# KiCad board corevus-toolboard-panelize3.kicad_pcb
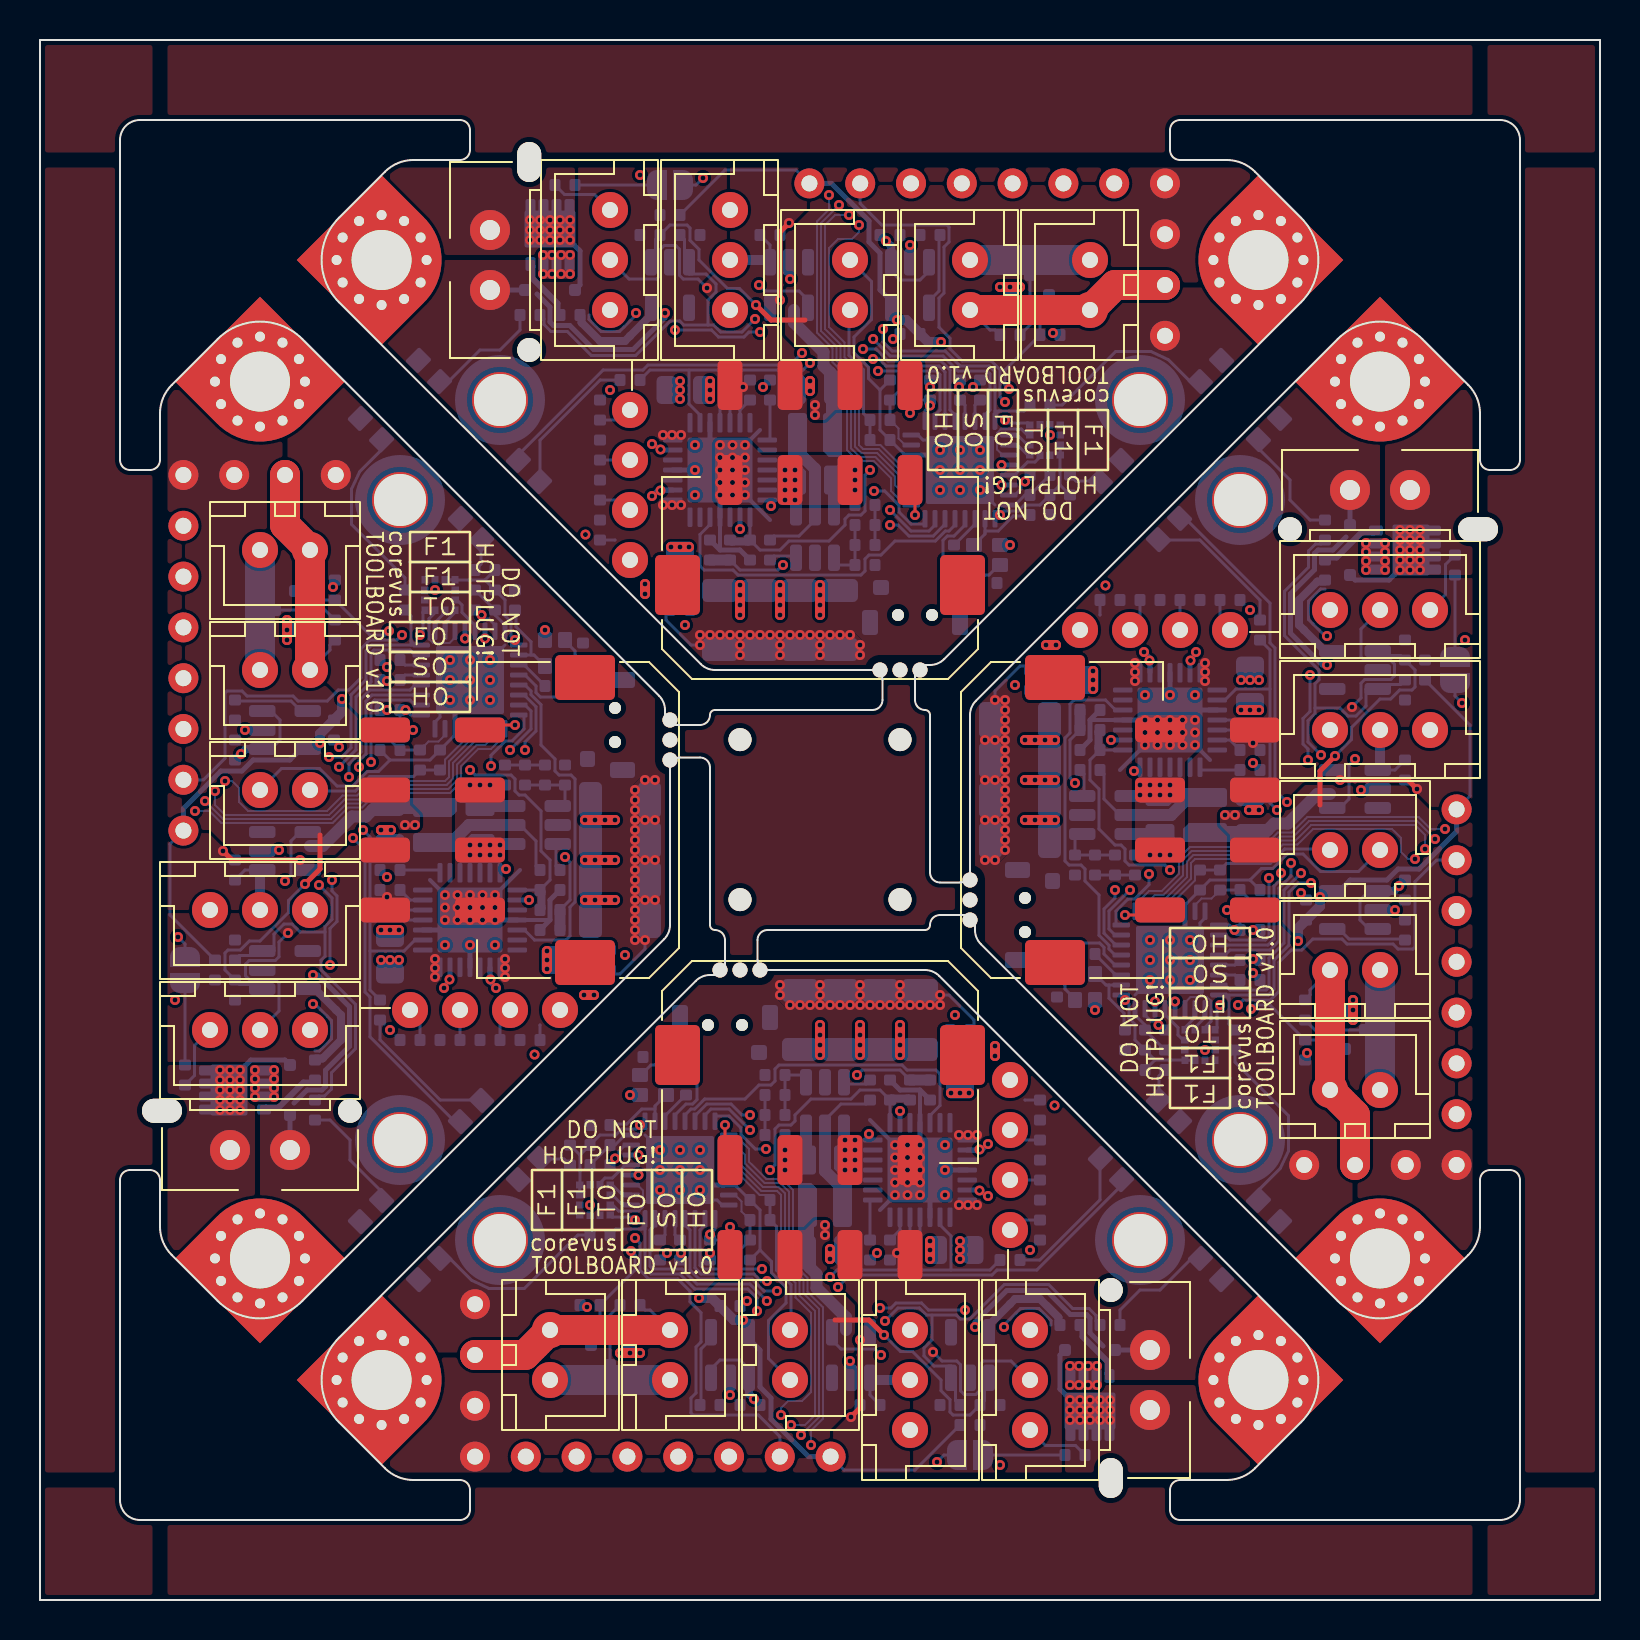
[diagram p0: board, top side]
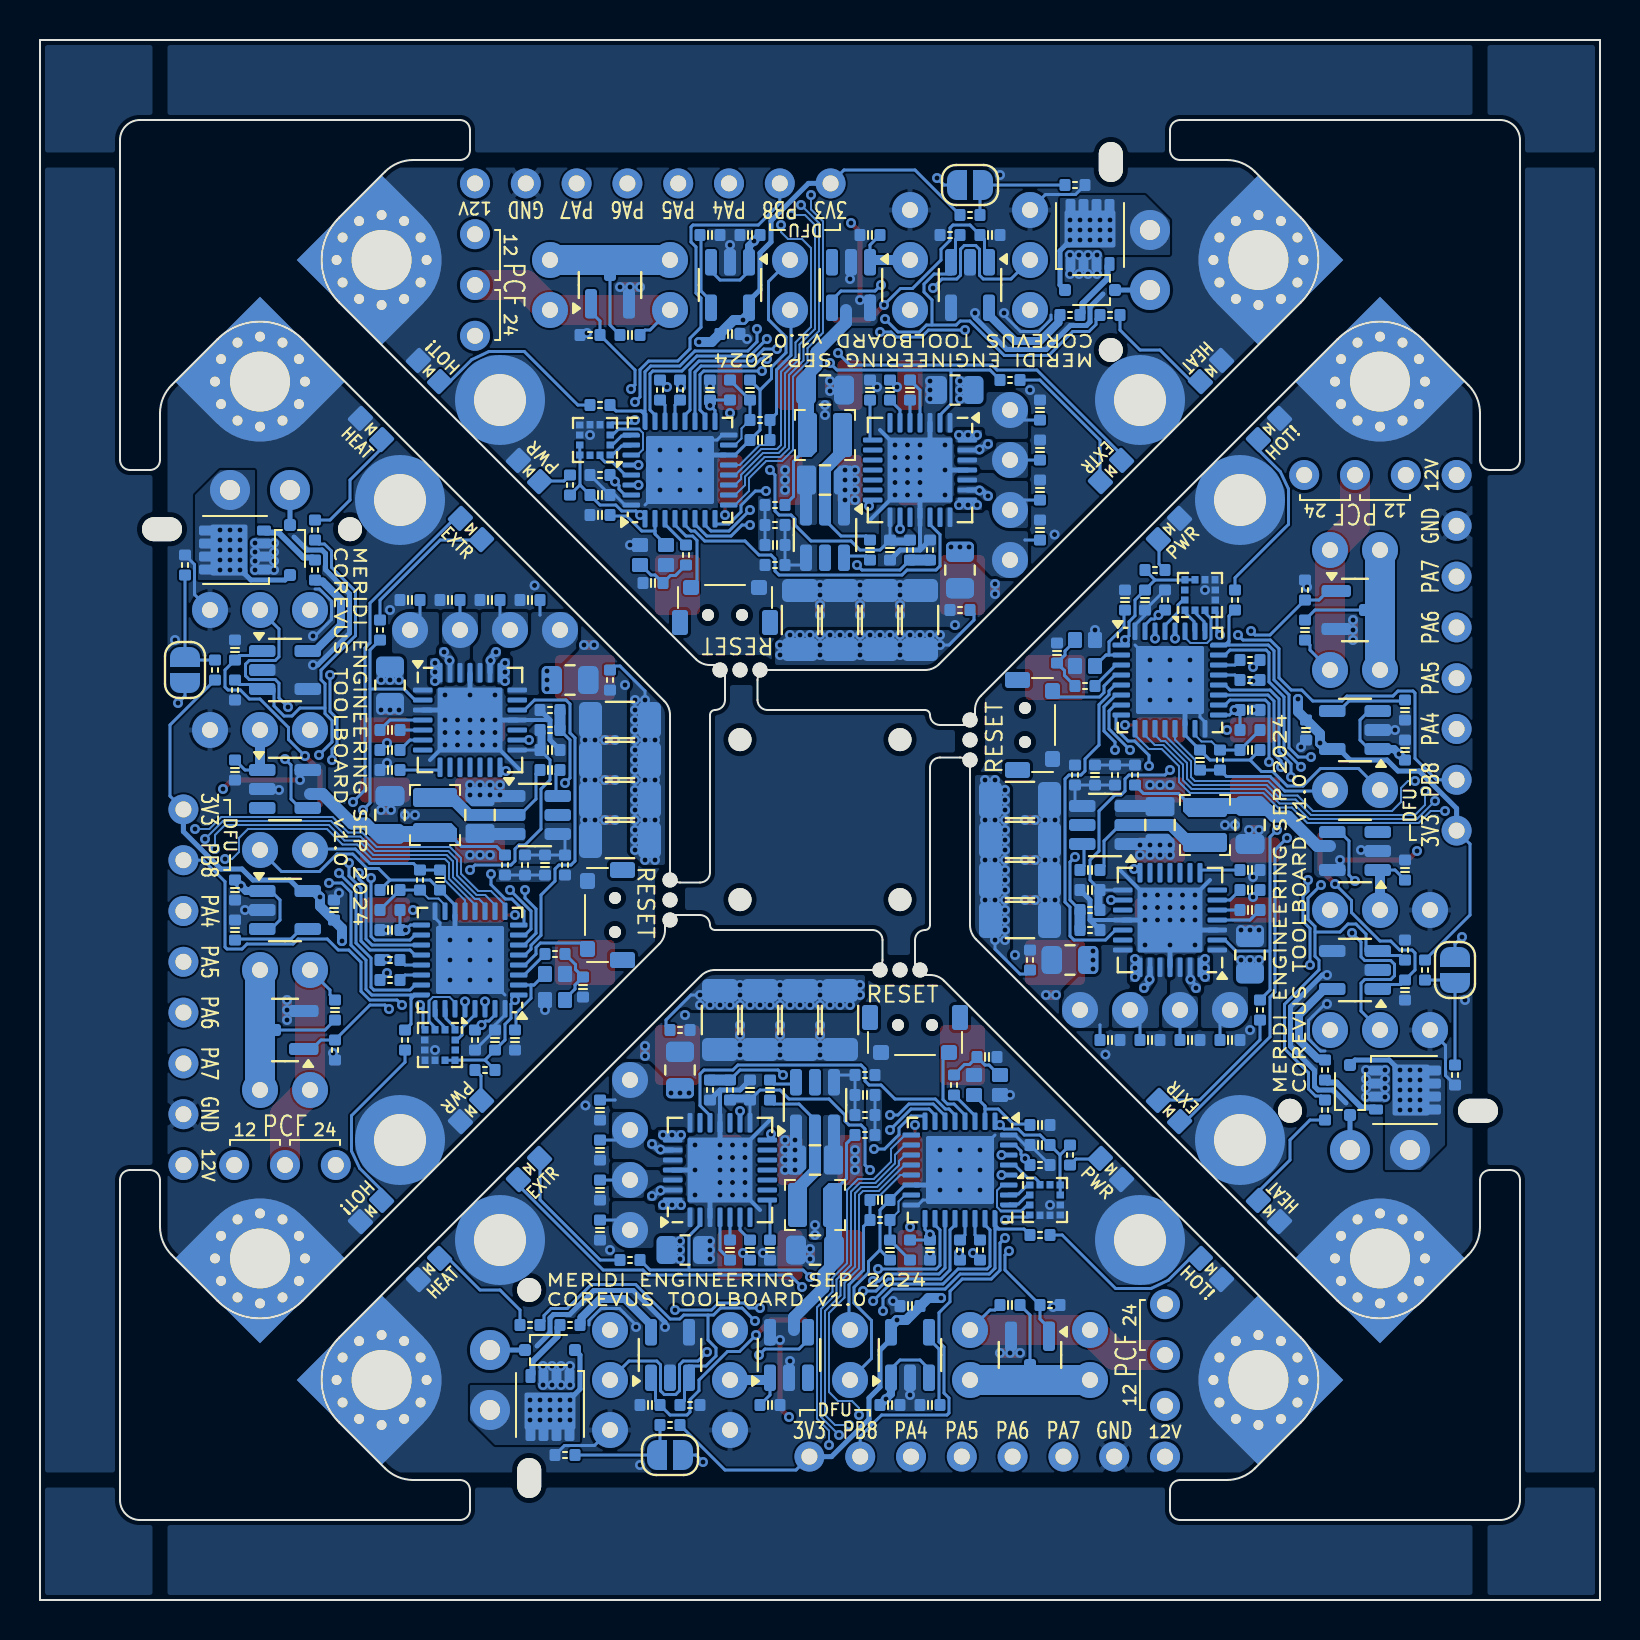
[diagram p1: board, bottom side, seen from below]

Outline 78 x 78 mm; copper layers: Top, In1.Cu (plane), In2.Cu (plane), Bottom. Coordinates in mm from the lower left corner of the outline.
Outline path: 44.25,31.5 arc(44.63,31.42) 44.96,31.21 63.04,13.12 arc(63.92,11) 63.04,8.88 60.75,6.59 arc(60.1,6.15) 59.34,6 57,6 arc(56.65,5.85) 56.5,5.5 56.5,4.5 arc(56.65,4.15) 57,4 73,4 arc(73.71,4.29) 74,5 74,21 arc(73.85,21.35) 73.5,21.5 72.5,21.5 arc(72.15,21.35) 72,21 72,18.67 arc(71.85,17.9) 71.41,17.25 69.12,14.96 arc(67,14.08) 64.88,14.96 47.04,32.79 arc(46.83,33.12) 46.75,33.5 46.75,33.75 arc(46.6,34.1) 46.25,34.25 45,34.25 arc(44.65,34.1) 44.5,33.75 arc(44.43,33.57) 44.25,33.5 36.38,33.5 arc(36.02,33.35) 35.88,33 35.88,32 arc(36.02,31.65) 36.38,31.5 44.25,31.5 ; 44.5,46.75 44.25,46.75 arc(43.9,46.6) 43.75,46.25 43.75,45 arc(43.9,44.65) 44.25,44.5 arc(44.43,44.43) 44.5,44.25 44.5,36.38 arc(44.65,36.02) 45,35.88 46,35.88 arc(46.35,36.02) 46.5,36.38 46.5,44.25 ; 44.5,46.75 arc(44.88,46.83) 45.21,47.04 63.04,64.88 arc(63.92,67) 63.04,69.12 60.75,71.41 arc(60.1,71.85) 59.33,72 57,72 arc(56.65,72.15) 56.5,72.5 56.5,73.5 arc(56.65,73.85) 57,74 73,74 arc(73.71,73.71) 74,73 74,57 arc(73.85,56.65) 73.5,56.5 72.5,56.5 arc(72.15,56.65) 72,57 72,59.35 arc(71.85,60.1) 71.41,60.75 69.12,63.04 arc(67,63.92) 64.88,63.04 46.79,44.96 arc(46.58,44.63) 46.5,44.25 ; 0,78 78,78 78,0 0,0 0,78 ; 4,73 arc(4.29,73.71) 5,74 21,74 arc(21.35,73.85) 21.5,73.5 21.5,72.5 arc(21.35,72.15) 21,72 18.67,72 arc(17.9,71.85) 17.25,71.41 14.96,69.12 arc(14.08,67) 14.96,64.88 33.04,46.79 arc(33.37,46.58) 33.75,46.5 41.62,46.5 arc(41.98,46.35) 42.12,46 42.12,45 arc(41.98,44.65) 41.62,44.5 33.75,44.5 arc(33.57,44.43) 33.5,44.25 arc(33.35,43.9) 33,43.75 31.75,43.75 arc(31.4,43.9) 31.25,44.25 31.25,44.5 arc(31.17,44.88) 30.96,45.21 13.12,63.04 arc(11,63.92) 8.88,63.04 6.59,60.75 arc(6.15,60.1) 6,59.33 6,57 arc(5.85,56.65) 5.5,56.5 4.5,56.5 arc(4.15,56.65) 4,57 4,73 ; 4,21 4,5 arc(4.29,4.29) 5,4 21,4 arc(21.35,4.15) 21.5,4.5 21.5,5.5 arc(21.35,5.85) 21,6 18.67,6 arc(17.9,6.15) 17.25,6.59 14.96,8.88 arc(14.08,11) 14.96,13.12 32.79,30.96 arc(33.12,31.17) 33.5,31.25 33.75,31.25 arc(34.1,31.4) 34.25,31.75 34.25,33 arc(34.1,33.35) 33.75,33.5 arc(33.57,33.57) 33.5,33.75 33.5,41.62 arc(33.35,41.98) 33,42.12 32,42.12 arc(31.65,41.98) 31.5,41.62 31.5,33.75 arc(31.42,33.37) 31.21,33.04 13.12,14.96 arc(11,14.08) 8.88,14.96 6.59,17.25 arc(6.15,17.9) 6,18.67 6,21 arc(5.85,21.35) 5.5,21.5 4.5,21.5 arc(4.15,21.35) 4,21
Stack: Top 0.035mm / dielectric 0.1mm FR4 er 4.5 / In1.Cu 0.035mm / dielectric 1.24mm FR4 er 4.5 / In2.Cu 0.035mm / dielectric 0.1mm FR4 er 4.5 / Bottom 0.035mm

## Placement (name value [footprint] x y rotation side)
C1  1µF  [0402C]  42.5 68.25 180 bottom
C1#2  1µF  [0402C]  9.75 42.5 270 bottom
C1#3  1µF  [0402C]  35.5 9.75 0 bottom
C1#4  1µF  [0402C]  68.25 35.5 90 bottom
C2  10pF  [0402C]  50 54.25 0 bottom
C2#2  10pF  [0402C]  54.25 28 270 bottom
C2#3  10pF  [0402C]  28 23.75 180 bottom
C2#4  10pF  [0402C]  23.75 50 90 bottom
C3  10pF  [0402C]  50.85 30.65 270 bottom
C3#2  10pF  [0402C]  27.15 47.35 90 bottom
C3#3  10pF  [0402C]  47.35 50.85 0 bottom
C3#4  10pF  [0402C]  30.65 27.15 180 bottom
C4  1µF  [0402C]  41.5 17.5 270 bottom
C4#2  1µF  [0402C]  60.5 41.5 0 bottom
C4#3  1µF  [0402C]  36.5 60.5 90 bottom
C4#4  1µF  [0402C]  17.5 36.5 180 bottom
C5  1µF  [0402C]  52.5 42.5 180 bottom
C5#2  1µF  [0402C]  35.5 52.5 270 bottom
C5#3  1µF  [0402C]  42.5 25.5 90 bottom
C5#4  1µF  [0402C]  25.5 35.5 0 bottom
C6  1µF  [0402C]  36.5 68.25 0 bottom
C6#2  1µF  [0402C]  68.25 41.5 270 bottom
C6#3  1µF  [0402C]  41.5 9.75 180 bottom
C6#4  1µF  [0402C]  9.75 36.5 90 bottom
C7  100nF  [0402C]  25.5 36.5 180 bottom
C7#2  100nF  [0402C]  52.5 41.5 0 bottom
C7#3  100nF  [0402C]  36.5 52.5 90 bottom
C7#4  100nF  [0402C]  41.5 25.5 270 bottom
C8  100nF 16V  [0402C]  42.5 17.5 270 bottom
C8#2  100nF 16V  [0402C]  35.5 60.5 90 bottom
C8#3  100nF 16V  [0402C]  60.5 42.5 0 bottom
C8#4  100nF 16V  [0402C]  17.5 35.5 180 bottom
C9  22nF 50V  [0402C]  34.5 60.5 270 bottom
C9#2  22nF 50V  [0402C]  60.5 43.5 180 bottom
C9#3  22nF 50V  [0402C]  43.5 17.5 90 bottom
C9#4  22nF 50V  [0402C]  17.5 34.5 0 bottom
C11  1µF  [0402C]  22.75 50 270 bottom
C11#2  1µF  [0402C]  28 22.75 0 bottom
C11#3  1µF  [0402C]  55.25 28 90 bottom
C11#4  1µF  [0402C]  50 55.25 180 bottom
C12  1µF  [0402C]  33.5 17.5 270 bottom
C12#2  1µF  [0402C]  44.5 60.5 90 bottom
C12#3  1µF  [0402C]  60.5 33.5 0 bottom
C12#4  1µF  [0402C]  17.5 44.5 180 bottom
C13  1µF  [0402C]  60.5 35.5 180 bottom
C13#2  1µF  [0402C]  17.5 42.5 0 bottom
C13#3  1µF  [0402C]  35.5 17.5 90 bottom
C13#4  1µF  [0402C]  42.5 60.5 270 bottom
C14  10µF 50V  [C_1206_3216Metric]  29 40 180 bottom
C14#2  10µF 50V  [C_1206_3216Metric]  38 29 270 bottom
C14#3  10µF 50V  [C_1206_3216Metric]  49 38 0 bottom
C14#4  10µF 50V  [C_1206_3216Metric]  40 49 90 bottom
C15  10µF 50V  [C_1206_3216Metric]  49 40 0 bottom
C15#2  10µF 50V  [C_1206_3216Metric]  38 49 90 bottom
C15#3  10µF 50V  [C_1206_3216Metric]  29 38 180 bottom
C15#4  10µF 50V  [C_1206_3216Metric]  40 29 270 bottom
C16  10µF 50V  [C_1206_3216Metric]  36 49 90 bottom
C16#2  10µF 50V  [C_1206_3216Metric]  42 29 270 bottom
C16#3  10µF 50V  [C_1206_3216Metric]  29 36 180 bottom
C16#4  10µF 50V  [C_1206_3216Metric]  49 42 0 bottom
C17  10µF 50V  [C_1206_3216Metric]  49 44 0 bottom
C17#2  10µF 50V  [C_1206_3216Metric]  44 29 270 bottom
C17#3  10µF 50V  [C_1206_3216Metric]  34 49 90 bottom
C17#4  10µF 50V  [C_1206_3216Metric]  29 34 180 bottom
C18  470pF  [0402C]  53.5 50 0 bottom
C18#2  470pF  [0402C]  28 53.5 90 bottom
C18#3  470pF  [0402C]  50 24.5 270 bottom
C18#4  470pF  [0402C]  24.5 28 180 bottom
C19  470pF  [0402C]  55.5 50 0 bottom
C19#2  470pF  [0402C]  22.5 28 180 bottom
C19#3  470pF  [0402C]  50 22.5 270 bottom
C19#4  470pF  [0402C]  28 55.5 90 bottom
C20  470pF  [0402C]  20.5 28 180 bottom
C20#2  470pF  [0402C]  57.5 50 0 bottom
C20#3  470pF  [0402C]  50 20.5 270 bottom
C20#4  470pF  [0402C]  28 57.5 90 bottom
C21  470pF  [0402C]  18.5 28 180 bottom
C21#2  470pF  [0402C]  50 18.5 270 bottom
C21#3  470pF  [0402C]  28 59.5 90 bottom
C21#4  470pF  [0402C]  59.5 50 0 bottom
C23  100nF 50V  [0402C]  63.25 29.5 270 bottom
C23#2  100nF 50V  [0402C]  14.75 48.5 90 bottom
C23#3  100nF 50V  [0402C]  29.5 14.75 180 bottom
C23#4  100nF 50V  [0402C]  48.5 63.25 0 bottom
C26  1µF  [0402C]  58 36 270 bottom
C26#2  1µF  [0402C]  36 20 180 bottom
C26#3  1µF  [0402C]  42 58 0 bottom
C26#4  1µF  [0402C]  20 42 90 bottom
C28  68pF  [0402C]  41.25 52.75 180 bottom
C28#2  68pF  [0402C]  52.75 36.75 90 bottom
C28#3  68pF  [0402C]  36.75 25.25 0 bottom
C28#4  68pF  [0402C]  25.25 41.25 270 bottom
C29  100nF 25V  [0402C]  68.25 47.5 90 bottom
C29#2  100nF 25V  [0402C]  30.5 68.25 180 bottom
C29#3  100nF 25V  [0402C]  47.5 9.75 0 bottom
C29#4  100nF 25V  [0402C]  9.75 30.5 270 bottom
C31  10nF  [0402C]  9.75 44.5 90 bottom
C31#2  10nF  [0402C]  33.5 9.75 180 bottom
C31#3  10nF  [0402C]  68.25 33.5 270 bottom
C31#4  10nF  [0402C]  44.5 68.25 0 bottom
C32  10µF 25V  [C_0805_2012Metric#2]  39.25 22 0 bottom
C32#2  10µF 25V  [C_0805_2012Metric#2]  22 38.75 270 bottom
C32#3  10µF 25V  [C_0805_2012Metric#2]  38.75 56 180 bottom
C32#4  10µF 25V  [C_0805_2012Metric#2]  56 39.25 90 bottom
C33  10µF  [C_0805_2012Metric]  17.5 38.75 270 bottom
C33#2  10µF  [C_0805_2012Metric]  39.25 17.5 0 bottom
C33#3  10µF  [C_0805_2012Metric]  60.5 39.25 90 bottom
C33#4  10µF  [C_0805_2012Metric]  38.75 60.5 180 bottom
C34  1µF  [0402C]  43.5 63.3 0 bottom
C34#2  1µF  [0402C]  14.7 43.5 90 bottom
C34#3  1µF  [0402C]  34.5 14.7 180 bottom
C34#4  1µF  [0402C]  63.3 34.5 270 bottom
D1  4148  [D_SOD-323]  65.5 52.5 270 bottom
D1#2  4148  [D_SOD-323]  25.5 65.5 0 bottom
D1#3  4148  [D_SOD-323]  12.5 25.5 90 bottom
D1#4  4148  [D_SOD-323]  52.5 12.5 180 bottom
D2  Red  [0603LED]  58.55 16.55 135 bottom
D2#2  Red  [0603LED]  19.45 61.45 315 bottom
D2#3  Red  [0603LED]  61.45 58.55 225 bottom
D2#4  Red  [0603LED]  16.55 19.45 45 bottom
D3  Grn  [0603LED]  56.45 53.55 45 bottom
D3#2  Grn  [0603LED]  21.55 24.45 225 bottom
D3#3  Grn  [0603LED]  53.55 21.55 315 bottom
D3#4  Grn  [0603LED]  24.45 56.45 135 bottom
D4  Wht  [0603LED]  56.45 24.45 135 bottom
D4#2  Wht  [0603LED]  24.45 21.55 45 bottom
D4#3  Wht  [0603LED]  53.55 56.45 225 bottom
D4#4  Wht  [0603LED]  21.55 53.55 315 bottom
D5  Ylw  [0603LED]  19.45 16.55 45 bottom
D5#2  Ylw  [0603LED]  61.45 19.45 135 bottom
D5#3  Ylw  [0603LED]  16.55 58.55 315 bottom
D5#4  Ylw  [0603LED]  58.55 61.45 225 bottom
FB1  GZ1005  [0402]  34.5 17.5 90 bottom
FB1#2  GZ1005  [0402]  43.5 60.5 270 bottom
FB1#3  GZ1005  [0402]  60.5 34.5 180 bottom
FB1#4  GZ1005  [0402]  17.5 43.5 0 bottom
H1  M3 Hole  [MountingHole_M3_Driver_Corner]  67 17.08 225 top
H1#2  M3 Hole  [MountingHole_M3_Driver_Corner]  60.92 67 315 top
H1#3  M3 Hole  [MountingHole_M3_Driver_Corner]  11 60.92 45 top
H1#4  M3 Hole  [MountingHole_M3_Driver_Corner]  17.08 11 135 top
H2  M3 Hole  [MountingHole_M3_Driver_Corner]  17.08 67 135 top
H2#2  M3 Hole  [MountingHole_M3_Driver_Corner]  11 17.08 225 top
H2#3  M3 Hole  [MountingHole_M3_Driver_Corner]  67 60.92 45 top
H2#4  M3 Hole  [MountingHole_M3_Driver_Corner]  60.92 11 315 top
H3  M2 Standoff  [Sinhoo_TH162010]  23 18 135 bottom
H3#2  M2 Standoff  [Sinhoo_TH162010]  60 23 225 bottom
H3#3  M2 Standoff  [Sinhoo_TH162010]  55 60 315 bottom
H3#4  M2 Standoff  [Sinhoo_TH162010]  18 55 45 bottom
H4  M2 Standoff  [Sinhoo_TH162010]  18 23 315 bottom
H4#2  M2 Standoff  [Sinhoo_TH162010]  23 60 225 bottom
H4#3  M2 Standoff  [Sinhoo_TH162010]  60 55 135 bottom
H4#4  M2 Standoff  [Sinhoo_TH162010]  55 18 45 bottom
J1  MF3 1x2P  [Molex_Micro-Fit-3.0_436500215]  55.5 11 270 top
J1#2  MF3 1x2P  [Molex_Micro-Fit-3.0_436500215]  11 22.5 180 top
J1#3  MF3 1x2P  [Molex_Micro-Fit-3.0_436500215]  67 55.5 0 top
J1#4  MF3 1x2P  [Molex_Micro-Fit-3.0_436500215]  22.5 67 90 top
J2  XH 1x3P  [JST_XH_1x03]  67 43.5 180 top
J2#2  XH 1x3P  [JST_XH_1x03]  11 34.5 0 top
J2#3  XH 1x3P  [JST_XH_1x03]  34.5 67 270 top
J2#4  XH 1x3P  [JST_XH_1x03]  43.5 11 90 top
J3  MX3.0 2x4P  [XKB_X3025WRS-2x04E]  22 39 270 top
J3#2  MX3.0 2x4P  [XKB_X3025WRS-2x04E]  39 56 180 top
J3#3  MX3.0 2x4P  [XKB_X3025WRS-2x04E]  56 39 90 top
J3#4  MX3.0 2x4P  [XKB_X3025WRS-2x04E]  39 22 0 top
J4  XH 1x4P  [JST_XH_1x04-Side]  55.75 48.5 0 top
J4#2  XH 1x4P  [JST_XH_1x04-Side]  29.5 55.75 90 top
J4#3  XH 1x4P  [JST_XH_1x04-Side]  48.5 22.25 270 top
J4#4  XH 1x4P  [JST_XH_1x04-Side]  22.25 29.5 180 top
J5  XH 1x2P  [JST_XH_1x02]  40.5 65.75 270 top
J5#2  XH 1x2P  [JST_XH_1x02]  12.25 40.5 0 top
J5#3  XH 1x2P  [JST_XH_1x02]  37.5 12.25 90 top
J5#4  XH 1x2P  [JST_XH_1x02]  65.75 37.5 180 top
J6  XH 1x2P  [JST_XH_1x02]  12.25 46.5 0 top
J6#2  XH 1x2P  [JST_XH_1x02]  46.5 65.75 270 top
J6#3  XH 1x2P  [JST_XH_1x02]  31.5 12.25 90 top
J6#4  XH 1x2P  [JST_XH_1x02]  65.75 31.5 180 top
J7  XH 1x2P  [JST_XH_1x02]  12.25 52.5 0 top
J7#2  XH 1x2P  [JST_XH_1x02]  65.75 25.5 180 top
J7#3  XH 1x2P  [JST_XH_1x02]  52.5 65.75 270 top
J7#4  XH 1x2P  [JST_XH_1x02]  25.5 12.25 90 top
J8  1x8P  [PinHeader_1x08_P2.54mm_Vertical]  56.25 70.83 270 top
J8#2  1x8P  [PinHeader_1x08_P2.54mm_Vertical]  21.75 7.17 90 top
J8#3  1x8P  [PinHeader_1x08_P2.54mm_Vertical]  7.17 56.25 0 top
J8#4  1x8P  [PinHeader_1x08_P2.54mm_Vertical]  70.83 21.75 180 top
J9  XH 1x3P  [JST_XH_1x03]  11 28.5 0 top
J9#2  XH 1x3P  [JST_XH_1x03]  28.5 67 270 top
J9#3  XH 1x3P  [JST_XH_1x03]  49.5 11 90 top
J9#4  XH 1x3P  [JST_XH_1x03]  67 49.5 180 top
J10  1x3P  [PinHeader_1x03_P2.54mm_Vertical]  56.25 63.21 180 top
J10#2  1x3P  [PinHeader_1x03_P2.54mm_Vertical]  21.75 14.79 0 top
J10#3  1x3P  [PinHeader_1x03_P2.54mm_Vertical]  63.21 21.75 90 top
J10#4  1x3P  [PinHeader_1x03_P2.54mm_Vertical]  14.79 56.25 270 top
JP1  Jumper_2_Small_Open  [SolderJumper-2_P1.3mm_Open_RoundedPad1.0x1.5mm]  70.75 46.5 270 bottom
JP1#2  Jumper_2_Small_Open  [SolderJumper-2_P1.3mm_Open_RoundedPad1.0x1.5mm]  46.5 7.25 180 bottom
JP1#3  Jumper_2_Small_Open  [SolderJumper-2_P1.3mm_Open_RoundedPad1.0x1.5mm]  31.5 70.75 0 bottom
JP1#4  Jumper_2_Small_Open  [SolderJumper-2_P1.3mm_Open_RoundedPad1.0x1.5mm]  7.25 31.5 90 bottom
L1  10µH  [L_Changjiang_FTC2520]  19.75 38.75 90 bottom
L1#2  10µH  [L_Changjiang_FTC2520]  58.25 39.25 270 bottom
L1#3  10µH  [L_Changjiang_FTC2520]  39.25 19.75 180 bottom
L1#4  10µH  [L_Changjiang_FTC2520]  38.75 58.25 0 bottom
NOREF  -  [unnamed]  46.5 35 90 top
NOREF#2  -  [unnamed]  43 46.5 180 top
NOREF#3  -  [unnamed]  44 46.5 180 top
NOREF#4  -  [unnamed]  34 31.5 0 top
NOREF#5  -  [unnamed]  31.5 44 270 top
NOREF#6  -  [unnamed]  46.5 36 90 top
NOREF#7  -  [unnamed]  36 31.5 0 top
NOREF#8  -  [unnamed]  46.5 34 90 top
NOREF#9  -  [unnamed]  31.5 42 270 top
NOREF#10  -  [unnamed]  35 31.5 0 top
NOREF#11  -  [unnamed]  42 46.5 180 top
NOREF#12  -  [unnamed]  31.5 43 270 top
NT1  NetTie_2  [NetTie-2_SMD_Pad0.1mm]  20.75 44.1 270 bottom
NT1#2  NetTie_2  [NetTie-2_SMD_Pad0.1mm]  44.1 57.25 180 bottom
NT1#3  NetTie_2  [NetTie-2_SMD_Pad0.1mm]  33.9 20.75 0 bottom
NT1#4  NetTie_2  [NetTie-2_SMD_Pad0.1mm]  57.25 33.9 90 bottom
Q2  NMOS  [MOSFET_DFN8]  9.75 25.5 270 bottom
Q2#2  NMOS  [MOSFET_DFN8]  25.5 68.25 180 bottom
Q2#3  NMOS  [MOSFET_DFN8]  68.25 52.5 90 bottom
Q2#4  NMOS  [MOSFET_DFN8]  52.5 9.75 0 bottom
Q4  AO3400  [SOT-23]  49.5 65.75 90 bottom
Q4#2  AO3400  [SOT-23]  12.25 49.5 180 bottom
Q4#3  AO3400  [SOT-23]  65.75 28.5 0 bottom
Q4#4  AO3400  [SOT-23]  28.5 12.25 270 bottom
R1  4.7kΩ  [0402R]  64.25 53.5 270 bottom
R1#2  4.7kΩ  [0402R]  53.5 13.75 180 bottom
R1#3  4.7kΩ  [0402R]  13.75 24.5 90 bottom
R1#4  4.7kΩ  [0402R]  24.5 64.25 0 bottom
R2  100kΩ  [0402R]  56.25 28 90 bottom
R2#2  100kΩ  [0402R]  50 56.25 180 bottom
R2#3  100kΩ  [0402R]  21.75 50 270 bottom
R2#4  100kΩ  [0402R]  28 21.75 0 bottom
R3  33Ω  [0402R]  17.5 47 180 bottom
R3#2  33Ω  [0402R]  47 60.5 90 bottom
R3#3  33Ω  [0402R]  31 17.5 270 bottom
R3#4  33Ω  [0402R]  60.5 31 0 bottom
R4  33Ω  [0402R]  32 17.5 270 bottom
R4#2  33Ω  [0402R]  46 60.5 90 bottom
R4#3  33Ω  [0402R]  17.5 46 180 bottom
R4#4  33Ω  [0402R]  60.5 32 0 bottom
R5  100mΩ  [R_0805_2012Metric]  26.5 32 180 bottom
R5#2  100mΩ  [R_0805_2012Metric]  46 26.5 270 bottom
R5#3  100mΩ  [R_0805_2012Metric]  51.5 46 0 bottom
R5#4  100mΩ  [R_0805_2012Metric]  32 51.5 90 bottom
R6  100mΩ  [R_0805_2012Metric]  45.75 17.5 0 bottom
R6#2  100mΩ  [R_0805_2012Metric]  60.5 45.75 90 bottom
R6#3  100mΩ  [R_0805_2012Metric]  17.5 32.25 270 bottom
R6#4  100mΩ  [R_0805_2012Metric]  32.25 60.5 180 bottom
R7  4.7kΩ  [0402R]  69.25 46.5 270 bottom
R7#2  4.7kΩ  [0402R]  31.5 69.25 0 bottom
R7#3  4.7kΩ  [0402R]  46.5 8.75 180 bottom
R7#4  4.7kΩ  [0402R]  8.75 31.5 90 bottom
R8  2.2kΩ  [0402R]  59.75 28 90 bottom
R8#2  2.2kΩ  [0402R]  28 18.25 0 bottom
R8#3  2.2kΩ  [0402R]  18.25 50 270 bottom
R8#4  2.2kΩ  [0402R]  50 59.75 180 bottom
R9  0Ω  [0402R]  64.25 51.5 270 bottom
R9#2  0Ω  [0402R]  13.75 26.5 90 bottom
R9#3  0Ω  [0402R]  51.5 13.75 180 bottom
R9#4  0Ω  [0402R]  26.5 64.25 0 bottom
R10  20kΩ  [0402R]  36.75 26.25 180 bottom
R10#2  20kΩ  [0402R]  51.75 36.75 270 bottom
R10#3  20kΩ  [0402R]  41.25 51.75 0 bottom
R10#4  20kΩ  [0402R]  26.25 41.25 90 bottom
R11  150kΩ  [0402R]  41.25 53.75 180 bottom
R11#2  150kΩ  [0402R]  53.75 36.75 90 bottom
R11#3  150kΩ  [0402R]  36.75 24.25 0 bottom
R11#4  150kΩ  [0402R]  24.25 41.25 270 bottom
R12  1kΩ  [0402R]  32.3 25.75 270 bottom
R12#2  1kΩ  [0402R]  45.7 52.25 90 bottom
R12#3  1kΩ  [0402R]  25.75 45.7 180 bottom
R12#4  1kΩ  [0402R]  52.25 32.3 0 bottom
R13  2.2kΩ  [0402R]  19 42 90 bottom
R13#2  2.2kΩ  [0402R]  36 19 180 bottom
R13#3  2.2kΩ  [0402R]  59 36 270 bottom
R13#4  2.2kΩ  [0402R]  42 59 0 bottom
R14  10kΩ  [0402R]  50.5 63.25 0 bottom
R14#2  10kΩ  [0402R]  63.25 27.5 270 bottom
R14#3  10kΩ  [0402R]  14.75 50.5 90 bottom
R14#4  10kΩ  [0402R]  27.5 14.75 180 bottom
R15  51Ω  [0402R]  41.25 54.75 0 bottom
R15#2  51Ω  [0402R]  36.75 23.25 180 bottom
R15#3  51Ω  [0402R]  54.75 36.75 270 bottom
R15#4  51Ω  [0402R]  23.25 41.25 90 bottom
R16  4.7kΩ  [0402R]  43.5 25.5 270 bottom
R16#2  4.7kΩ  [0402R]  52.5 43.5 0 bottom
R16#3  4.7kΩ  [0402R]  34.5 52.5 90 bottom
R16#4  4.7kΩ  [0402R]  25.5 34.5 180 bottom
R17  2.2kΩ  [0402R]  51.5 55.75 270 bottom
R17#2  2.2kΩ  [0402R]  22.25 51.5 0 bottom
R17#3  2.2kΩ  [0402R]  55.75 26.5 180 bottom
R17#4  2.2kΩ  [0402R]  26.5 22.25 90 bottom
R19  10kΩ  [0402R]  45.5 9.75 0 bottom
R19#2  10kΩ  [0402R]  32.5 68.25 180 bottom
R19#3  10kΩ  [0402R]  9.75 32.5 270 bottom
R19#4  10kΩ  [0402R]  68.25 45.5 90 bottom
R20  510kΩ  [0402R]  28.5 32 90 bottom
R20#2  510kΩ  [0402R]  49.5 46 270 bottom
R20#3  510kΩ  [0402R]  32 49.5 0 bottom
R20#4  510kΩ  [0402R]  46 28.5 180 bottom
R21  2.2kΩ  [0402R]  48.5 17 180 bottom
R21#2  2.2kΩ  [0402R]  61 48.5 270 bottom
R21#3  2.2kΩ  [0402R]  29.5 61 0 bottom
R21#4  2.2kΩ  [0402R]  17 29.5 90 bottom
REF**  -  [ToolingHole]  43 35.02 0 top
REF**#2  -  [ToolingHole]  35 35.02 0 top
REF**#3  -  [ToolingHole]  35 43.02 0 top
REF**#4  -  [ToolingHole]  43 43.02 0 top
SW1  Reset  [ShouHan_TS24CA]  34.25 28.75 180 bottom
SW1#2  Reset  [ShouHan_TS24CA]  28.75 43.75 90 bottom
SW1#3  Reset  [ShouHan_TS24CA]  49.25 34.25 270 bottom
SW1#4  Reset  [ShouHan_TS24CA]  43.75 49.25 0 bottom
TH1  10kΩ 3950K  [0402R]  25.5 33.5 180 bottom
TH1#2  10kΩ 3950K  [0402R]  33.5 52.5 90 bottom
TH1#3  10kΩ 3950K  [0402R]  52.5 44.5 0 bottom
TH1#4  10kΩ 3950K  [0402R]  44.5 25.5 270 bottom
TH2  10kΩ 3950K  [0402R]  7.25 26.25 270 bottom
TH2#2  10kΩ 3950K  [0402R]  51.75 7.25 0 bottom
TH2#3  10kΩ 3950K  [0402R]  70.75 51.75 90 bottom
TH2#4  10kΩ 3950K  [0402R]  26.25 70.75 180 bottom
U1  LIS2DE12  [LGA-12_2x2mm_P0.5mm]  27.75 20 180 bottom
U1#2  LIS2DE12  [LGA-12_2x2mm_P0.5mm]  20 50.25 90 bottom
U1#3  LIS2DE12  [LGA-12_2x2mm_P0.5mm]  50.25 58 0 bottom
U1#4  LIS2DE12  [LGA-12_2x2mm_P0.5mm]  58 27.75 270 bottom
U2  TPS54302  [SOT-23-6]  38.75 53.25 270 bottom
U2#2  TPS54302  [SOT-23-6]  53.25 39.25 180 bottom
U2#3  TPS54302  [SOT-23-6]  24.75 38.75 0 bottom
U2#4  TPS54302  [SOT-23-6]  39.25 24.75 90 bottom
U3  STM32G431KBU3  [QFN-32-1EP_5x5mm_P0.5mm_EP3.45x3.45mm]  46 56.5 90 bottom
U3#2  STM32G431KBU3  [QFN-32-1EP_5x5mm_P0.5mm_EP3.45x3.45mm]  21.5 46 180 bottom
U3#3  STM32G431KBU3  [QFN-32-1EP_5x5mm_P0.5mm_EP3.45x3.45mm]  56.5 32 0 bottom
U3#4  STM32G431KBU3  [QFN-32-1EP_5x5mm_P0.5mm_EP3.45x3.45mm]  32 21.5 270 bottom
U4  TMC2209-LA  [TQFN-28-1EP_5x5mm_P0.5mm_EP3.25x3.25mm_ThermalVias]  34 56.5 270 bottom
U4#2  TMC2209-LA  [TQFN-28-1EP_5x5mm_P0.5mm_EP3.25x3.25mm_ThermalVias]  44 21.5 90 bottom
U4#3  TMC2209-LA  [TQFN-28-1EP_5x5mm_P0.5mm_EP3.25x3.25mm_ThermalVias]  56.5 44 180 bottom
U4#4  TMC2209-LA  [TQFN-28-1EP_5x5mm_P0.5mm_EP3.25x3.25mm_ThermalVias]  21.5 34 0 bottom
U6  SPX3819M5-L-3-3  [SOT-23-5]  34.5 12.25 90 bottom
U6#2  SPX3819M5-L-3-3  [SOT-23-5]  12.25 43.5 0 bottom
U6#3  SPX3819M5-L-3-3  [SOT-23-5]  65.75 34.5 180 bottom
U6#4  SPX3819M5-L-3-3  [SOT-23-5]  43.5 65.75 270 bottom
U7  TPS2069CDBV  [SOT-23-5]  12.25 37.45 0 bottom
U7#2  TPS2069CDBV  [SOT-23-5]  40.55 12.25 90 bottom
U7#3  TPS2069CDBV  [SOT-23-5]  65.75 40.55 180 bottom
U7#4  TPS2069CDBV  [SOT-23-5]  37.45 65.75 270 bottom
U8  UCC27517  [SOT-23-5]  65.75 46.5 180 bottom
U8#2  UCC27517  [SOT-23-5]  12.25 31.5 0 bottom
U8#3  UCC27517  [SOT-23-5]  31.5 65.75 270 bottom
U8#4  UCC27517  [SOT-23-5]  46.5 12.25 90 bottom
Y1  XRCGB25  [Crystal_SMD_2016-4Pin_2.0x1.6mm]  25.75 47.35 270 bottom
Y1#2  XRCGB25  [Crystal_SMD_2016-4Pin_2.0x1.6mm]  30.65 25.75 0 bottom
Y1#3  XRCGB25  [Crystal_SMD_2016-4Pin_2.0x1.6mm]  52.25 30.65 90 bottom
Y1#4  XRCGB25  [Crystal_SMD_2016-4Pin_2.0x1.6mm]  47.35 52.25 180 bottom
